# KiCad board reform2-motherboard25.kicad_pcb (continued)
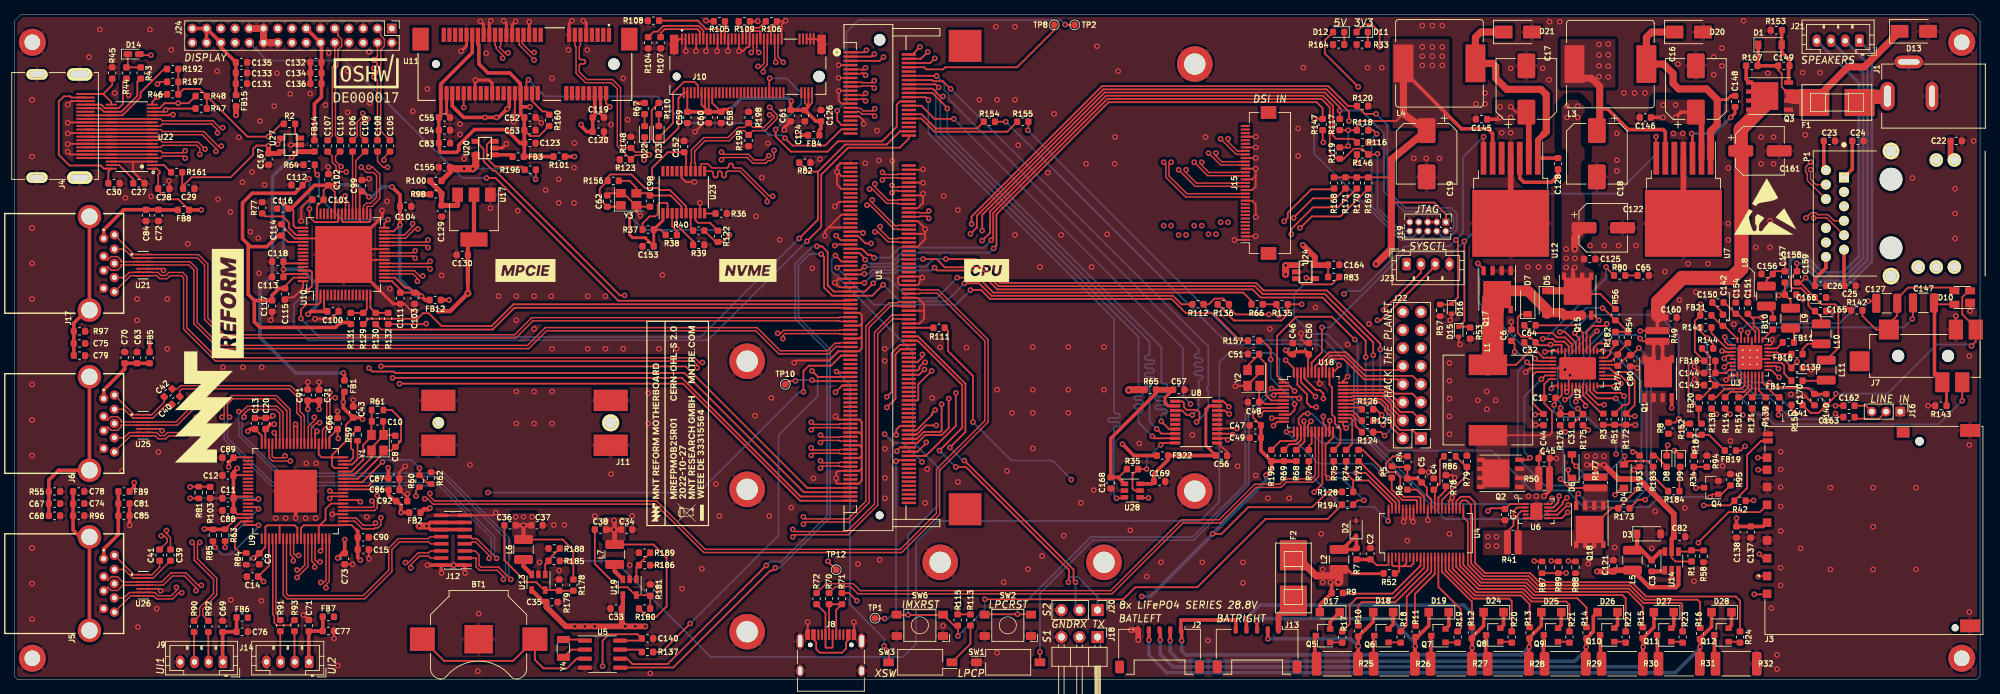
[diagram p0: board, top side]
## Routing (per net, layer and track width the routed paths; a pad name or vN(x,y) marks a point on that pad's centre or on a via; arc(x,y) is an arc through that point) (continued)
  Power.Cu w0.2: v1(170.43,76) 170.13,75.7 170.13,64.57 v1(170.43,64.27)
DSI_D1_N: length 157.3
  Top w0.2: v1(167.68,74) 169.35,72.33 171.85,72.33 171.87,72.3 J15.22 ; U10.22 53.08,58.5 53.1,58.47 58.1,58.47 v1(58.4,58.78)
  Signal.Cu w0.2: v1(167.68,62.6) 167.97,62.3 167.97,58.69 158.81,49.53 111.74,49.53 102.79,58.47 78.62,58.47 78.56,58.48 78.49,58.5 78.44,58.54 78.39,58.59 78.35,58.64 78.33,58.71 78.33,58.78 78.33,58.81 78.32,58.88 78.3,58.94 78.26,59 78.21,59.05 78.16,59.08 78.09,59.11 78.03,59.11 77.96,59.11 77.89,59.08 77.84,59.05 77.79,59 77.75,58.94 77.73,58.88 77.72,58.81 77.72,58.78 77.72,58.71 77.7,58.64 77.66,58.59 77.61,58.54 77.56,58.5 77.49,58.48 77.42,58.47 77.36,58.48 77.29,58.5 77.24,58.54 77.19,58.59 77.15,58.64 77.13,58.71 77.12,58.78 77.12,58.81 77.12,58.88 77.1,58.94 77.06,59 77.01,59.05 76.96,59.08 76.89,59.11 76.83,59.11 76.76,59.11 76.69,59.08 76.64,59.05 76.59,59 76.55,58.94 76.53,58.88 76.53,58.81 76.53,58.78 76.52,58.71 76.5,58.64 76.46,58.59 76.41,58.54 76.36,58.5 76.29,58.48 76.22,58.47 76.16,58.48 76.09,58.5 76.04,58.54 75.99,58.59 75.95,58.64 75.93,58.71 75.92,58.78 75.92,58.81 75.92,58.88 75.9,58.94 75.86,59 75.81,59.05 75.76,59.08 75.69,59.11 75.62,59.11 75.56,59.11 75.49,59.08 75.44,59.05 75.39,59 75.35,58.94 75.33,58.88 75.33,58.81 75.33,58.78 75.32,58.71 75.3,58.64 75.26,58.59 75.21,58.54 75.16,58.5 75.09,58.48 75.03,58.47 74.09,58.47 73.98,58.46 73.87,58.42 73.77,58.36 73.69,58.28 73.63,58.18 73.59,58.07 73.58,57.96 73.58,57.7 73.57,57.68 73.57,57.66 73.55,57.64 73.54,57.62 73.52,57.61 73.5,57.6 73.47,57.6 73.28,57.6 73.25,57.6 73.23,57.61 73.21,57.62 73.2,57.64 73.18,57.66 73.18,57.68 73.17,57.7 73.17,57.96 73.16,58.07 73.12,58.18 73.06,58.28 72.98,58.36 72.88,58.42 72.77,58.46 72.66,58.47 72.49,58.47 72.38,58.46 72.27,58.42 72.17,58.36 72.09,58.28 72.03,58.18 71.99,58.07 71.97,57.96 71.97,57.7 71.97,57.68 71.97,57.66 71.95,57.64 71.94,57.62 71.92,57.61 71.9,57.6 71.88,57.6 71.67,57.6 71.65,57.6 71.63,57.61 71.61,57.62 71.6,57.64 71.58,57.66 71.58,57.68 71.58,57.7 71.58,57.96 71.56,58.07 71.52,58.18 71.46,58.28 71.38,58.36 71.28,58.42 71.17,58.46 71.06,58.47 70.89,58.47 70.78,58.46 70.67,58.42 70.57,58.36 70.49,58.28 70.43,58.18 70.39,58.07 70.38,57.96 70.38,57.7 70.37,57.68 70.37,57.66 70.35,57.64 70.34,57.62 70.32,57.61 70.3,57.6 70.28,57.6 70.08,57.6 70.05,57.6 70.03,57.61 70.01,57.62 70,57.64 69.98,57.66 69.98,57.68 69.97,57.7 69.97,57.96 69.96,58.07 69.92,58.18 69.86,58.28 69.78,58.36 69.68,58.42 69.57,58.46 69.46,58.47 69.29,58.47 69.18,58.46 69.07,58.42 68.97,58.36 68.89,58.28 68.83,58.18 68.79,58.07 68.78,57.96 68.78,57.7 68.77,57.68 68.77,57.66 68.75,57.64 68.74,57.62 68.72,57.61 68.7,57.6 68.67,57.6 68.47,57.6 68.45,57.6 68.43,57.61 68.41,57.62 68.4,57.64 68.38,57.66 68.38,57.68 68.38,57.7 68.38,57.96 68.36,58.07 68.32,58.18 68.26,58.28 68.18,58.36 68.08,58.42 67.97,58.46 67.86,58.47 67.69,58.47 67.58,58.46 67.47,58.42 67.37,58.36 67.29,58.28 67.23,58.18 67.19,58.07 67.17,57.96 67.17,57.7 67.17,57.68 67.17,57.66 67.15,57.64 67.14,57.62 67.12,57.61 67.1,57.6 67.08,57.6 66.88,57.6 66.85,57.6 66.83,57.61 66.81,57.62 66.8,57.64 66.78,57.66 66.78,57.68 66.78,57.7 66.78,57.96 66.76,58.07 66.72,58.18 66.66,58.28 66.58,58.36 66.48,58.42 66.37,58.46 66.26,58.47 66.09,58.47 65.98,58.46 65.87,58.42 65.77,58.36 65.69,58.28 65.63,58.18 65.59,58.07 65.58,57.96 65.58,57.7 65.57,57.68 65.57,57.66 65.55,57.64 65.54,57.62 65.52,57.61 65.5,57.6 65.47,57.6 65.28,57.6 65.25,57.6 65.23,57.61 65.21,57.62 65.2,57.64 65.18,57.66 65.18,57.68 65.17,57.7 65.17,57.96 65.16,58.07 65.12,58.18 65.06,58.28 64.98,58.36 64.88,58.42 64.77,58.46 64.66,58.47 64.49,58.47 64.38,58.46 64.27,58.42 64.17,58.36 64.09,58.28 64.03,58.18 63.99,58.07 63.97,57.96 63.97,57.7 63.97,57.68 63.97,57.66 63.95,57.64 63.94,57.62 63.92,57.61 63.9,57.6 63.88,57.6 63.67,57.6 63.65,57.6 63.63,57.61 63.61,57.62 63.6,57.64 63.58,57.66 63.58,57.68 63.58,57.7 63.58,57.96 63.56,58.07 63.52,58.18 63.46,58.28 63.38,58.36 63.28,58.42 63.17,58.46 63.06,58.47 62.89,58.47 62.78,58.46 62.67,58.42 62.57,58.36 62.49,58.28 62.43,58.18 62.39,58.07 62.38,57.96 62.38,57.7 62.37,57.68 62.37,57.66 62.35,57.64 62.34,57.62 62.32,57.61 62.3,57.6 62.28,57.6 62.08,57.6 62.05,57.6 62.03,57.61 62.01,57.62 62,57.64 61.98,57.66 61.98,57.68 61.97,57.7 61.97,57.96 61.96,58.07 61.92,58.18 61.86,58.28 61.78,58.36 61.68,58.42 61.57,58.46 61.46,58.47 58.7,58.47 v1(58.4,58.78)
  Power.Cu w0.2: v1(167.68,62.6) 167.97,62.9 167.97,73.7 v1(167.68,74)
DSI_D1_P: length 154.8
  Top w0.2: v1(58.4,57.72) 58.1,58.03 53.1,58.03 53.08,58 U10.21 ; v1(168.72,74) 168.72,73.59 169.54,72.78 171.85,72.78 171.87,72.8 J15.23
  Signal.Cu w0.2: v1(58.4,57.72) 58.7,58.03 61.42,58.03 61.45,58.02 61.47,58.02 61.49,58 61.5,57.99 61.52,57.97 61.52,57.95 61.53,57.92 61.53,57.67 61.54,57.55 61.58,57.44 61.64,57.35 61.72,57.26 61.82,57.2 61.93,57.16 62.04,57.15 62.31,57.15 62.42,57.16 62.53,57.2 62.63,57.26 62.71,57.35 62.77,57.44 62.81,57.55 62.83,57.67 62.83,57.92 62.83,57.95 62.83,57.97 62.85,57.99 62.86,58 62.88,58.02 62.9,58.02 62.92,58.03 63.03,58.03 63.05,58.02 63.07,58.02 63.09,58 63.1,57.99 63.12,57.97 63.12,57.95 63.12,57.92 63.12,57.67 63.14,57.55 63.18,57.44 63.24,57.35 63.32,57.26 63.42,57.2 63.53,57.16 63.64,57.15 63.91,57.15 64.02,57.16 64.13,57.2 64.23,57.26 64.31,57.35 64.37,57.44 64.41,57.55 64.42,57.67 64.42,57.92 64.43,57.95 64.43,57.97 64.45,57.99 64.46,58 64.48,58.02 64.5,58.02 64.53,58.03 64.62,58.03 64.65,58.02 64.67,58.02 64.69,58 64.7,57.99 64.72,57.97 64.72,57.95 64.72,57.92 64.72,57.67 64.74,57.55 64.78,57.44 64.84,57.35 64.92,57.26 65.02,57.2 65.13,57.16 65.24,57.15 65.51,57.15 65.62,57.16 65.73,57.2 65.83,57.26 65.91,57.35 65.97,57.44 66.01,57.55 66.03,57.67 66.03,57.92 66.03,57.95 66.03,57.97 66.05,57.99 66.06,58 66.08,58.02 66.1,58.02 66.12,58.03 66.22,58.03 66.25,58.02 66.27,58.02 66.29,58 66.3,57.99 66.32,57.97 66.32,57.95 66.33,57.92 66.33,57.67 66.34,57.55 66.38,57.44 66.44,57.35 66.52,57.26 66.62,57.2 66.73,57.16 66.84,57.15 67.11,57.15 67.22,57.16 67.33,57.2 67.43,57.26 67.51,57.35 67.57,57.44 67.61,57.55 67.62,57.67 67.62,57.92 67.63,57.95 67.63,57.97 67.65,57.99 67.66,58 67.68,58.02 67.7,58.02 67.72,58.03 67.83,58.03 67.85,58.02 67.87,58.02 67.89,58 67.9,57.99 67.92,57.97 67.92,57.95 67.92,57.92 67.92,57.67 67.94,57.55 67.98,57.44 68.04,57.35 68.12,57.26 68.22,57.2 68.33,57.16 68.44,57.15 68.71,57.15 68.82,57.16 68.93,57.2 69.03,57.26 69.11,57.35 69.17,57.44 69.21,57.55 69.22,57.67 69.22,57.92 69.23,57.95 69.23,57.97 69.25,57.99 69.26,58 69.28,58.02 69.3,58.02 69.33,58.03 69.42,58.03 69.45,58.02 69.47,58.02 69.49,58 69.5,57.99 69.52,57.97 69.52,57.95 69.53,57.92 69.53,57.67 69.54,57.55 69.58,57.44 69.64,57.35 69.72,57.26 69.82,57.2 69.93,57.16 70.04,57.15 70.31,57.15 70.42,57.16 70.53,57.2 70.63,57.26 70.71,57.35 70.77,57.44 70.81,57.55 70.83,57.67 70.83,57.92 70.83,57.95 70.83,57.97 70.85,57.99 70.86,58 70.88,58.02 70.9,58.02 70.92,58.03 71.03,58.03 71.05,58.02 71.07,58.02 71.09,58 71.1,57.99 71.12,57.97 71.12,57.95 71.12,57.92 71.12,57.67 71.14,57.55 71.18,57.44 71.24,57.35 71.32,57.26 71.42,57.2 71.53,57.16 71.64,57.15 71.91,57.15 72.02,57.16 72.13,57.2 72.23,57.26 72.31,57.35 72.37,57.44 72.41,57.55 72.42,57.67 72.42,57.92 72.43,57.95 72.43,57.97 72.45,57.99 72.46,58 72.48,58.02 72.5,58.02 72.53,58.03 72.62,58.03 72.65,58.02 72.67,58.02 72.69,58 72.7,57.99 72.72,57.97 72.72,57.95 72.72,57.92 72.72,57.67 72.74,57.55 72.78,57.44 72.84,57.35 72.92,57.26 73.02,57.2 73.13,57.16 73.24,57.15 73.51,57.15 73.62,57.16 73.73,57.2 73.83,57.26 73.91,57.35 73.97,57.44 74.01,57.55 74.03,57.67 74.03,57.92 74.03,57.95 74.03,57.97 74.05,57.99 74.06,58 74.08,58.02 74.1,58.02 74.12,58.03 102.61,58.03 111.56,49.08 158.99,49.08 168.43,58.51 168.43,62.3 v1(168.72,62.6)
  Power.Cu w0.2: v1(168.72,62.6) 168.43,62.9 168.43,73.7 v1(168.72,74)
DSI_D2_N: length 166.8
  Top w0.2: U10.28 53.08,61.5 53.1,61.47 57.8,61.47 v1(58.1,61.78) ; v1(163.47,71.65) 165.8,69.33 171.85,69.33 171.87,69.3 J15.16
  Signal.Cu w0.2: v1(163.47,62.5) 163.78,62.2 163.78,59.29 163.4,58.92 163.38,58.92 157.88,53.41 157.88,53.4 156.81,52.33 112.94,52.33 103.79,61.47 103.73,61.48 103.66,61.5 103.61,61.54 103.56,61.59 103.52,61.64 103.5,61.71 103.49,61.78 103.49,62.07 103.49,62.13 103.46,62.2 103.43,62.25 103.38,62.3 103.32,62.34 103.26,62.36 103.19,62.37 103.13,62.36 103.06,62.34 103.01,62.3 102.96,62.25 102.92,62.2 102.9,62.13 102.89,62.07 102.89,61.78 102.89,61.71 102.86,61.64 102.83,61.59 102.78,61.54 102.72,61.5 102.66,61.48 102.59,61.47 102.53,61.48 102.46,61.5 102.41,61.54 102.36,61.59 102.32,61.64 102.3,61.71 102.29,61.78 102.29,62.07 102.29,62.13 102.26,62.2 102.23,62.25 102.18,62.3 102.12,62.34 102.06,62.36 101.99,62.37 101.93,62.36 101.86,62.34 101.81,62.3 101.76,62.25 101.72,62.2 101.7,62.13 101.69,62.07 101.69,61.78 101.69,61.71 101.66,61.64 101.63,61.59 101.58,61.54 101.52,61.5 101.46,61.48 101.39,61.47 90.88,61.47 90.81,61.48 90.76,61.5 90.7,61.53 90.66,61.58 90.63,61.63 90.61,61.69 90.6,61.75 90.6,62.02 90.58,62.17 90.53,62.31 90.45,62.44 90.34,62.55 90.21,62.63 90.07,62.68 89.92,62.7 89.78,62.7 89.63,62.68 89.49,62.63 89.36,62.55 89.25,62.44 89.17,62.31 89.12,62.17 89.1,62.02 89.1,61.75 89.09,61.69 89.07,61.63 89.04,61.58 89,61.53 88.94,61.5 88.89,61.48 88.82,61.47 88.78,61.47 88.71,61.48 88.66,61.5 88.6,61.53 88.56,61.58 88.53,61.63 88.51,61.69 88.5,61.75 88.5,62.02 88.48,62.17 88.43,62.31 88.35,62.44 88.24,62.55 88.11,62.63 87.97,62.68 87.82,62.7 87.68,62.7 87.53,62.68 87.39,62.63 87.26,62.55 87.15,62.44 87.07,62.31 87.02,62.17 87,62.02 87,61.75 86.99,61.69 86.97,61.63 86.94,61.58 86.9,61.53 86.84,61.5 86.79,61.48 86.72,61.47 86.67,61.47 86.61,61.48 86.56,61.5 86.5,61.53 86.46,61.58 86.43,61.63 86.41,61.69 86.4,61.75 86.4,62.02 86.38,62.17 86.33,62.31 86.25,62.44 86.14,62.55 86.01,62.63 85.87,62.68 85.72,62.7 85.58,62.7 85.43,62.68 85.29,62.63 85.16,62.55 85.05,62.44 84.97,62.31 84.92,62.17 84.9,62.02 84.9,61.75 84.89,61.69 84.87,61.63 84.84,61.58 84.8,61.53 84.74,61.5 84.69,61.48 84.62,61.47 84.58,61.47 84.51,61.48 84.46,61.5 84.4,61.53 84.36,61.58 84.33,61.63 84.31,61.69 84.3,61.75 84.3,62.02 84.28,62.17 84.23,62.31 84.15,62.44 84.04,62.55 83.91,62.63 83.77,62.68 83.62,62.7 83.48,62.7 83.33,62.68 83.19,62.63 83.06,62.55 82.95,62.44 82.87,62.31 82.82,62.17 82.8,62.02 82.8,61.75 82.79,61.69 82.77,61.63 82.74,61.58 82.7,61.53 82.64,61.5 82.59,61.48 82.53,61.47 82.47,61.47 82.41,61.48 82.36,61.5 82.3,61.53 82.26,61.58 82.23,61.63 82.21,61.69 82.2,61.75 82.2,62.02 82.18,62.17 82.13,62.31 82.05,62.44 81.94,62.55 81.81,62.63 81.67,62.68 81.52,62.7 81.38,62.7 81.23,62.68 81.09,62.63 80.96,62.55 80.85,62.44 80.77,62.31 80.72,62.17 80.7,62.02 80.7,61.75 80.69,61.69 80.67,61.63 80.64,61.58 80.6,61.53 80.54,61.5 80.49,61.48 80.42,61.47 80.22,61.47 80.18,61.48 80.14,61.49 80.1,61.52 80.07,61.55 80.04,61.59 80.03,61.63 80.03,61.67 80.03,61.94 80.01,62.07 79.96,62.2 79.89,62.32 79.79,62.42 79.68,62.49 79.55,62.53 79.41,62.55 79.14,62.55 79,62.53 78.87,62.49 78.76,62.42 78.66,62.32 78.59,62.2 78.54,62.07 78.53,61.94 78.53,61.67 78.52,61.63 78.51,61.59 78.48,61.55 78.45,61.52 78.41,61.49 78.37,61.48 78.33,61.47 78.08,61.47 78.04,61.48 78,61.49 77.97,61.51 77.94,61.54 77.92,61.57 77.9,61.61 77.9,61.65 77.9,61.91 77.89,62.04 77.84,62.17 77.77,62.28 77.68,62.37 77.57,62.44 77.44,62.49 77.31,62.5 76.99,62.5 76.86,62.49 76.73,62.44 76.62,62.37 76.53,62.28 76.46,62.17 76.41,62.04 76.4,61.91 76.4,61.65 76.4,61.61 76.38,61.57 76.36,61.54 76.33,61.51 76.3,61.49 76.26,61.48 76.22,61.47 75.97,61.47 75.94,61.48 75.9,61.49 75.87,61.51 75.84,61.54 75.82,61.57 75.8,61.61 75.8,61.65 75.8,61.91 75.79,62.04 75.74,62.17 75.67,62.28 75.58,62.37 75.47,62.44 75.34,62.49 75.21,62.5 74.89,62.5 74.76,62.49 74.63,62.44 74.52,62.37 74.43,62.28 74.36,62.17 74.31,62.04 74.3,61.91 74.3,61.65 74.3,61.61 74.28,61.57 74.26,61.54 74.23,61.51 74.2,61.49 74.16,61.48 74.12,61.47 73.92,61.47 73.88,61.48 73.84,61.49 73.8,61.52 73.77,61.55 73.74,61.59 73.73,61.63 73.72,61.67 73.72,61.94 73.71,62.07 73.66,62.2 73.59,62.32 73.49,62.42 73.38,62.49 73.25,62.53 73.11,62.55 72.84,62.55 72.7,62.53 72.57,62.49 72.46,62.42 72.36,62.32 72.29,62.2 72.24,62.07 72.22,61.94 72.22,61.67 72.22,61.63 72.21,61.59 72.18,61.55 72.15,61.52 72.11,61.49 72.07,61.48 72.03,61.47 71.88,61.47 71.82,61.48 71.78,61.5 71.73,61.52 71.7,61.56 71.67,61.6 71.66,61.65 71.65,61.7 71.65,61.96 71.63,62.11 71.59,62.24 71.51,62.36 71.41,62.46 71.29,62.54 71.16,62.58 71.01,62.6 70.79,62.6 70.64,62.58 70.51,62.54 70.39,62.46 70.29,62.36 70.21,62.24 70.17,62.11 70.15,61.96 70.15,61.7 70.14,61.65 70.13,61.6 70.1,61.56 70.07,61.52 70.02,61.5 69.98,61.48 69.92,61.47 69.67,61.47 69.64,61.48 69.6,61.49 69.57,61.51 69.54,61.54 69.52,61.57 69.5,61.61 69.5,61.65 69.5,61.91 69.49,62.04 69.44,62.17 69.37,62.28 69.28,62.37 69.17,62.44 69.04,62.49 68.91,62.5 68.59,62.5 68.46,62.49 68.33,62.44 68.22,62.37 68.13,62.28 68.06,62.17 68.01,62.04 68,61.91 68,61.65 68,61.61 67.98,61.57 67.96,61.54 67.93,61.51 67.9,61.49 67.86,61.48 67.83,61.47 67.58,61.47 67.54,61.48 67.5,61.49 67.47,61.51 67.44,61.54 67.42,61.57 67.4,61.61 67.4,61.65 67.4,61.91 67.39,62.04 67.34,62.17 67.27,62.28 67.18,62.37 67.07,62.44 66.94,62.49 66.81,62.5 66.49,62.5 66.36,62.49 66.23,62.44 66.12,62.37 66.03,62.28 65.96,62.17 65.91,62.04 65.9,61.91 65.9,61.65 65.9,61.61 65.88,61.57 65.86,61.54 65.83,61.51 65.8,61.49 65.76,61.48 65.72,61.47 65.53,61.47 65.48,61.48 65.44,61.49 65.4,61.52 65.37,61.55 65.34,61.59 65.33,61.63 65.33,61.67 65.33,61.94 65.31,62.07 65.26,62.2 65.19,62.32 65.09,62.42 64.98,62.49 64.85,62.53 64.71,62.55 64.44,62.55 64.3,62.53 64.17,62.49 64.06,62.42 63.96,62.32 63.89,62.2 63.84,62.07 63.83,61.94 63.83,61.67 63.82,61.63 63.81,61.59 63.78,61.55 63.75,61.52 63.71,61.49 63.67,61.48 63.62,61.47 63.47,61.47 63.42,61.48 63.38,61.5 63.33,61.52 63.3,61.56 63.27,61.6 63.26,61.65 63.25,61.7 63.25,61.96 63.23,62.11 63.19,62.24 63.11,62.36 63.01,62.46 62.89,62.54 62.76,62.58 62.61,62.6 62.39,62.6 62.24,62.58 62.11,62.54 61.99,62.46 61.89,62.36 61.81,62.24 61.77,62.11 61.75,61.96 61.75,61.7 61.74,61.65 61.73,61.6 61.7,61.56 61.67,61.52 61.62,61.5 61.58,61.48 61.53,61.47 61.33,61.47 61.28,61.48 61.24,61.49 61.2,61.52 61.17,61.55 61.14,61.59 61.13,61.63 61.12,61.67 61.12,61.94 61.11,62.07 61.06,62.2 60.99,62.32 60.89,62.42 60.78,62.49 60.65,62.53 60.51,62.55 60.24,62.55 60.1,62.53 59.97,62.49 59.86,62.42 59.76,62.32 59.69,62.2 59.64,62.07 59.62,61.94 59.62,61.67 59.62,61.63 59.61,61.59 59.58,61.55 59.55,61.52 59.51,61.49 59.47,61.48 59.42,61.47 58.4,61.47 v1(58.1,61.78)
  Power.Cu w0.2: v1(163.47,62.5) 163.77,62.8 163.77,71.35 v1(163.47,71.65)
DSI_D2_P: length 165.2
  Top w0.2: U10.27 53.08,61 53.1,61.03 57.8,61.03 v1(58.1,60.72) ; v1(164.53,71.65) 164.53,71.24 165.99,69.78 171.85,69.78 171.87,69.8 J15.17
  Signal.Cu w0.2: v1(58.1,60.72) 58.4,61.03 59.46,61.03 59.6,61.04 59.73,61.09 59.84,61.16 59.94,61.26 60.01,61.37 60.06,61.5 60.08,61.64 60.08,61.9 60.08,61.94 60.09,61.99 60.12,62.02 60.15,62.06 60.19,62.08 60.23,62.09 60.28,62.1 60.47,62.1 60.52,62.09 60.56,62.08 60.6,62.06 60.63,62.02 60.66,61.99 60.67,61.94 60.67,61.9 60.67,61.64 60.69,61.5 60.74,61.37 60.81,61.26 60.91,61.16 61.02,61.09 61.15,61.04 61.29,61.03 61.56,61.03 61.71,61.04 61.84,61.09 61.96,61.16 62.06,61.26 62.14,61.39 62.18,61.52 62.2,61.66 62.2,61.92 62.21,61.98 62.22,62.02 62.25,62.07 62.28,62.1 62.33,62.13 62.37,62.14 62.42,62.15 62.58,62.15 62.63,62.14 62.67,62.13 62.72,62.1 62.75,62.07 62.78,62.02 62.79,61.98 62.8,61.92 62.8,61.66 62.82,61.52 62.86,61.39 62.94,61.26 63.04,61.16 63.16,61.09 63.29,61.04 63.44,61.03 63.66,61.03 63.8,61.04 63.93,61.09 64.04,61.16 64.14,61.26 64.21,61.37 64.26,61.5 64.28,61.64 64.28,61.9 64.28,61.94 64.29,61.99 64.32,62.02 64.35,62.06 64.39,62.08 64.43,62.09 64.47,62.1 64.67,62.1 64.72,62.09 64.76,62.08 64.8,62.06 64.83,62.02 64.86,61.99 64.87,61.94 64.88,61.9 64.88,61.64 64.89,61.5 64.94,61.37 65.01,61.26 65.11,61.16 65.22,61.09 65.35,61.04 65.49,61.03 65.76,61.03 65.89,61.04 66.02,61.08 66.13,61.15 66.22,61.25 66.29,61.36 66.34,61.48 66.35,61.61 66.35,61.88 66.35,61.91 66.37,61.95 66.39,61.98 66.42,62.01 66.45,62.03 66.49,62.05 66.53,62.05 66.78,62.05 66.81,62.05 66.85,62.03 66.88,62.01 66.91,61.98 66.93,61.95 66.95,61.91 66.95,61.88 66.95,61.61 66.96,61.48 67.01,61.36 67.08,61.25 67.17,61.15 67.28,61.08 67.41,61.04 67.54,61.03 67.86,61.03 67.99,61.04 68.12,61.08 68.23,61.15 68.32,61.25 68.39,61.36 68.44,61.48 68.45,61.61 68.45,61.88 68.45,61.91 68.47,61.95 68.49,61.98 68.52,62.01 68.55,62.03 68.59,62.05 68.62,62.05 68.88,62.05 68.91,62.05 68.95,62.03 68.98,62.01 69.01,61.98 69.03,61.95 69.05,61.91 69.05,61.88 69.05,61.61 69.06,61.48 69.11,61.36 69.18,61.25 69.27,61.15 69.38,61.08 69.51,61.04 69.64,61.03 69.96,61.03 70.11,61.04 70.24,61.09 70.36,61.16 70.46,61.26 70.54,61.39 70.58,61.52 70.6,61.66 70.6,61.92 70.61,61.98 70.62,62.02 70.65,62.07 70.68,62.1 70.73,62.13 70.77,62.14 70.83,62.15 70.97,62.15 71.03,62.14 71.07,62.13 71.12,62.1 71.15,62.07 71.18,62.02 71.19,61.98 71.2,61.92 71.2,61.66 71.22,61.52 71.26,61.39 71.34,61.26 71.44,61.16 71.56,61.09 71.69,61.04 71.84,61.03 72.06,61.03 72.2,61.04 72.33,61.09 72.44,61.16 72.54,61.26 72.61,61.37 72.66,61.5 72.67,61.64 72.67,61.9 72.68,61.94 72.69,61.99 72.72,62.02 72.75,62.06 72.79,62.08 72.83,62.09 72.88,62.1 73.08,62.1 73.12,62.09 73.16,62.08 73.2,62.06 73.23,62.02 73.26,61.99 73.27,61.94 73.28,61.9 73.28,61.64 73.29,61.5 73.34,61.37 73.41,61.26 73.51,61.16 73.62,61.09 73.75,61.04 73.89,61.03 74.16,61.03 74.29,61.04 74.42,61.08 74.53,61.15 74.62,61.25 74.69,61.36 74.74,61.48 74.75,61.61 74.75,61.88 74.75,61.91 74.77,61.95 74.79,61.98 74.82,62.01 74.85,62.03 74.89,62.05 74.92,62.05 75.17,62.05 75.21,62.05 75.25,62.03 75.28,62.01 75.31,61.98 75.33,61.95 75.35,61.91 75.35,61.88 75.35,61.61 75.36,61.48 75.41,61.36 75.48,61.25 75.57,61.15 75.68,61.08 75.81,61.04 75.94,61.03 76.26,61.03 76.39,61.04 76.52,61.08 76.63,61.15 76.72,61.25 76.79,61.36 76.84,61.48 76.85,61.61 76.85,61.88 76.85,61.91 76.87,61.95 76.89,61.98 76.92,62.01 76.95,62.03 76.99,62.05 77.03,62.05 77.28,62.05 77.31,62.05 77.35,62.03 77.38,62.01 77.41,61.98 77.43,61.95 77.45,61.91 77.45,61.88 77.45,61.61 77.46,61.48 77.51,61.36 77.58,61.25 77.67,61.15 77.78,61.08 77.91,61.04 78.04,61.03 78.36,61.03 78.5,61.04 78.63,61.09 78.74,61.16 78.84,61.26 78.91,61.37 78.96,61.5 78.97,61.64 78.97,61.9 78.98,61.94 78.99,61.99 79.02,62.02 79.05,62.06 79.09,62.08 79.13,62.09 79.17,62.1 79.38,62.1 79.42,62.09 79.46,62.08 79.5,62.06 79.53,62.02 79.56,61.99 79.57,61.94 79.58,61.9 79.58,61.64 79.59,61.5 79.64,61.37 79.71,61.26 79.81,61.16 79.92,61.09 80.05,61.04 80.19,61.03 80.47,61.03 80.62,61.04 80.76,61.09 80.89,61.17 81,61.28 81.08,61.41 81.13,61.56 81.15,61.71 81.15,61.97 81.16,62.04 81.18,62.09 81.21,62.15 81.25,62.19 81.31,62.22 81.36,62.24 81.42,62.25 81.47,62.25 81.54,62.24 81.59,62.22 81.65,62.19 81.69,62.15 81.72,62.09 81.74,62.04 81.75,61.97 81.75,61.71 81.77,61.56 81.82,61.41 81.9,61.28 82.01,61.17 82.14,61.09 82.28,61.04 82.43,61.03 82.57,61.03 82.72,61.04 82.86,61.09 82.99,61.17 83.1,61.28 83.18,61.41 83.23,61.56 83.25,61.71 83.25,61.97 83.26,62.04 83.28,62.09 83.31,62.15 83.35,62.19 83.41,62.22 83.46,62.24 83.53,62.25 83.58,62.25 83.64,62.24 83.69,62.22 83.75,62.19 83.79,62.15 83.82,62.09 83.84,62.04 83.85,61.97 83.85,61.71 83.87,61.56 83.92,61.41 84,61.28 84.11,61.17 84.24,61.09 84.38,61.04 84.53,61.03 84.67,61.03 84.82,61.04 84.96,61.09 85.09,61.17 85.2,61.28 85.28,61.41 85.33,61.56 85.35,61.71 85.35,61.97 85.36,62.04 85.38,62.09 85.41,62.15 85.45,62.19 85.51,62.22 85.56,62.24 85.62,62.25 85.67,62.25 85.74,62.24 85.79,62.22 85.85,62.19 85.89,62.15 85.92,62.09 85.94,62.04 85.95,61.97 85.95,61.71 85.97,61.56 86.02,61.41 86.1,61.28 86.21,61.17 86.34,61.09 86.48,61.04 86.63,61.03 86.77,61.03 86.92,61.04 87.06,61.09 87.19,61.17 87.3,61.28 87.38,61.41 87.43,61.56 87.45,61.71 87.45,61.97 87.46,62.04 87.48,62.09 87.51,62.15 87.55,62.19 87.61,62.22 87.66,62.24 87.72,62.25 87.78,62.25 87.84,62.24 87.89,62.22 87.95,62.19 87.99,62.15 88.02,62.09 88.04,62.04 88.05,61.97 88.05,61.71 88.07,61.56 88.12,61.41 88.2,61.28 88.31,61.17 88.44,61.09 88.58,61.04 88.73,61.03 88.87,61.03 89.02,61.04 89.16,61.09 89.29,61.17 89.4,61.28 89.48,61.41 89.53,61.56 89.55,61.71 89.55,61.97 89.56,62.04 89.58,62.09 89.61,62.15 89.65,62.19 89.71,62.22 89.76,62.24 89.82,62.25 89.88,62.25 89.94,62.24 89.99,62.22 90.05,62.19 90.09,62.15 90.12,62.09 90.14,62.04 90.15,61.97 90.15,61.71 90.17,61.56 90.22,61.41 90.3,61.28 90.41,61.17 90.54,61.09 90.68,61.04 90.83,61.03 98.82,61.03 98.88,61.02 98.94,61 98.99,60.97 99.03,60.93 99.06,60.88 99.08,60.82 99.09,60.71 99.11,60.65 99.14,60.6 99.18,60.56 99.23,60.53 99.29,60.51 99.34,60.51 99.43,60.51 99.48,60.51 99.54,60.53 99.59,60.56 99.63,60.6 99.66,60.65 99.68,60.71 99.69,60.82 99.71,60.88 99.74,60.93 99.78,60.97 99.83,61 99.89,61.02 99.94,61.03 100.03,61.03 100.08,61.02 100.14,61 100.19,60.97 100.23,60.93 100.26,60.88 100.28,60.82 100.29,60.71 100.31,60.65 100.34,60.6 100.38,60.56 100.43,60.53 100.49,60.51 100.54,60.51 100.62,60.51 100.68,60.51 100.74,60.53 100.79,60.56 100.83,60.6 100.86,60.65 100.88,60.71 100.89,60.82 100.91,60.88 100.94,60.93 100.98,60.97 101.03,61 101.09,61.02 101.14,61.03 103.61,61.03 112.76,51.88 156.99,51.88 158.33,53.21 158.33,53.23 163.57,58.47 163.58,58.47 164.22,59.11 164.22,62.2 v1(164.53,62.5)
  Power.Cu w0.2: v1(164.53,62.5) 164.23,62.8 164.23,71.35 v1(164.53,71.65)
DSI_D3_N: length 175.3
  Top w0.2: U10.30 53.08,62.5 53.1,62.47 54.76,62.47 55.93,63.65 v1(55.93,64.07) ; J15.13 171.87,67.8 171.85,67.83 164.46,67.83 161.67,70.61 161.67,72.4 v1(161.38,72.7)
  Signal.Cu w0.2: v1(161.38,63.8) 161.68,63.5 161.68,59.89 155.41,53.62 114.04,53.62 103.6,64.07 80.92,64.07 80.83,64.06 80.74,64.03 80.66,63.98 80.59,63.91 80.54,63.83 80.51,63.74 80.5,63.65 80.5,63.4 80.1,63.4 80.1,64.32 80.09,64.42 80.06,64.5 80,64.58 79.94,64.65 79.86,64.7 79.77,64.73 79.67,64.74 79.22,64.74 79.13,64.73 79.04,64.7 78.96,64.65 78.89,64.58 78.84,64.5 78.81,64.42 78.8,64.32 78.8,63.85 78.8,63.85 78.8,63.4 78.4,63.4 78.4,64.32 78.39,64.42 78.36,64.5 78.3,64.58 78.24,64.65 78.16,64.7 78.07,64.73 77.97,64.74 77.52,64.74 77.43,64.73 77.34,64.7 77.26,64.65 77.19,64.58 77.14,64.5 77.11,64.42 77.1,64.32 77.1,63.85 77.1,63.85 77.1,63.4 76.7,63.4 76.7,64.32 76.69,64.42 76.66,64.5 76.6,64.58 76.54,64.65 76.46,64.7 76.37,64.73 76.27,64.74 75.82,64.74 75.73,64.73 75.64,64.7 75.56,64.65 75.49,64.58 75.44,64.5 75.41,64.42 75.4,64.32 75.4,63.85 75.4,63.85 75.4,63.4 75,63.4 75,64.32 74.99,64.42 74.96,64.5 74.9,64.58 74.84,64.65 74.76,64.7 74.67,64.73 74.57,64.74 74.12,64.74 74.03,64.73 73.94,64.7 73.86,64.65 73.79,64.58 73.74,64.5 73.71,64.42 73.7,64.32 73.7,63.85 73.7,63.85 73.7,63.4 73.3,63.4 73.3,64.32 73.29,64.42 73.26,64.5 73.2,64.58 73.14,64.65 73.06,64.7 72.97,64.73 72.87,64.74 72.42,64.74 72.33,64.73 72.24,64.7 72.16,64.65 72.09,64.58 72.04,64.5 72.01,64.42 72,64.32 72,63.85 72,63.85 72,63.4 71.6,63.4 71.6,64.32 71.59,64.42 71.56,64.5 71.5,64.58 71.44,64.65 71.36,64.7 71.27,64.73 71.17,64.74 70.72,64.74 70.63,64.73 70.54,64.7 70.46,64.65 70.39,64.58 70.34,64.5 70.31,64.42 70.3,64.32 70.3,63.85 70.3,63.85 70.3,63.4 69.9,63.4 69.9,64.32 69.89,64.42 69.86,64.5 69.8,64.58 69.74,64.65 69.66,64.7 69.57,64.73 69.47,64.74 69.02,64.74 68.93,64.73 68.84,64.7 68.76,64.65 68.69,64.58 68.64,64.5 68.61,64.42 68.6,64.32 68.6,63.85 68.6,63.85 68.6,63.4 68.2,63.4 68.2,64.32 68.19,64.42 68.16,64.5 68.1,64.58 68.04,64.65 67.96,64.7 67.87,64.73 67.77,64.74 67.32,64.74 67.23,64.73 67.14,64.7 67.06,64.65 66.99,64.58 66.94,64.5 66.91,64.42 66.9,64.32 66.9,63.85 66.9,63.85 66.9,63.4 66.5,63.4 66.5,64.32 66.49,64.42 66.46,64.5 66.4,64.58 66.34,64.65 66.26,64.7 66.17,64.73 66.07,64.74 65.62,64.74 65.53,64.73 65.44,64.7 65.36,64.65 65.29,64.58 65.24,64.5 65.21,64.42 65.2,64.32 65.2,63.85 65.2,63.85 65.2,63.4 64.8,63.4 64.8,64.32 64.79,64.42 64.76,64.5 64.7,64.58 64.64,64.65 64.56,64.7 64.47,64.73 64.37,64.74 63.92,64.74 63.83,64.73 63.74,64.7 63.66,64.65 63.59,64.58 63.54,64.5 63.51,64.42 63.5,64.32 63.5,63.85 63.5,63.85 63.5,63.4 63.1,63.4 63.1,64.32 63.09,64.42 63.06,64.5 63,64.58 62.94,64.65 62.86,64.7 62.77,64.73 62.67,64.74 62.22,64.74 62.13,64.73 62.04,64.7 61.96,64.65 61.89,64.58 61.84,64.5 61.81,64.42 61.8,64.32 61.8,63.85 61.8,63.85 61.8,63.4 61.4,63.4 61.4,64.32 61.39,64.42 61.36,64.5 61.3,64.58 61.24,64.65 61.16,64.7 61.07,64.73 60.97,64.74 60.52,64.74 60.43,64.73 60.34,64.7 60.26,64.65 60.19,64.58 60.14,64.5 60.11,64.42 60.1,64.32 60.1,63.85 60.1,63.85 60.1,63.4 59.7,63.4 59.7,63.65 59.69,63.74 59.65,63.83 59.6,63.91 59.54,63.98 59.46,64.03 59.37,64.06 59.27,64.07 58.48,64.07 58.41,64.08 58.35,64.1 58.29,64.14 58.24,64.18 58.21,64.24 58.19,64.3 58.18,64.37 58.18,64.57 58.17,64.63 58.15,64.7 58.11,64.75 58.07,64.8 58.01,64.84 57.95,64.86 57.88,64.87 57.81,64.86 57.75,64.84 57.69,64.8 57.64,64.75 57.61,64.7 57.59,64.63 57.58,64.57 57.58,64.37 57.57,64.3 57.55,64.24 57.51,64.18 57.47,64.14 57.41,64.1 57.35,64.08 57.28,64.07 v1(55.93,64.07)
  Power.Cu w0.2: v1(161.38,63.8) 161.67,64.1 161.67,72.4 v1(161.38,72.7)
